# Altium PCB Quark - 副本.PcbDoc
Units mil, origin at the board's own origin, x right, y up, seen from the top; angles counter-clockwise.
Board outline 877.01 x 1246.5 mil, 6 copper layers (Top1, Signal2, Gnd3, Power4, Signal5, Bottom6), stack 32.534 mil thick; 123 components, 200 nets, 919 pads, 193 vias.
Unrouted connection lines stored in the file: 541.
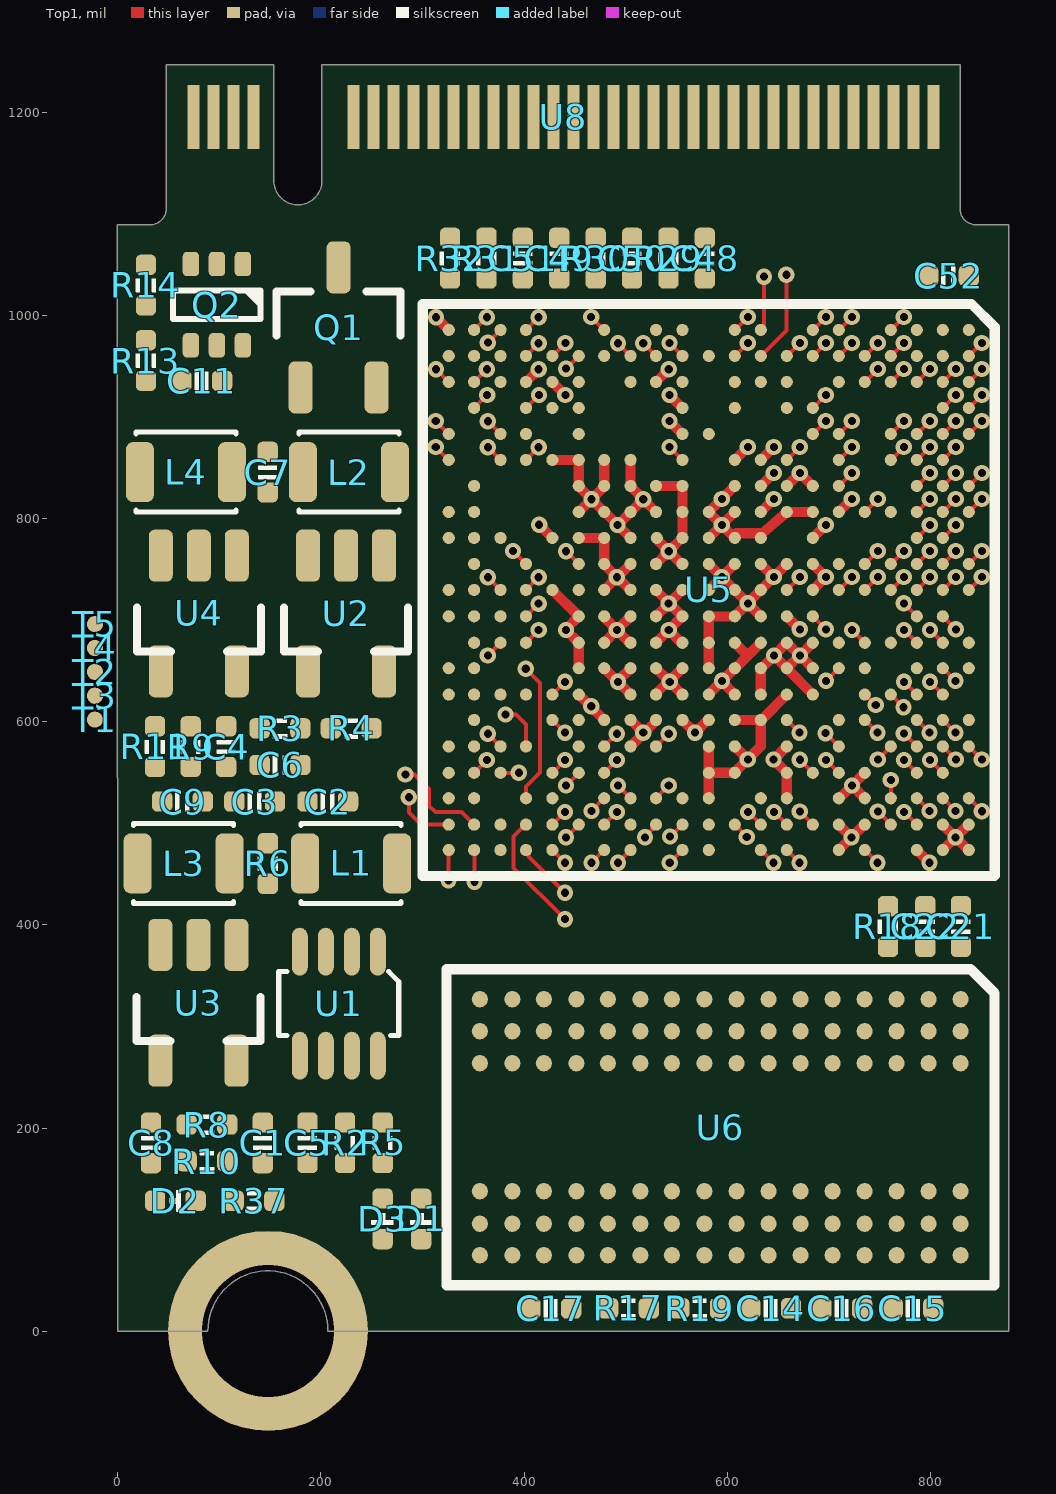
[diagram p0: Top1 view]
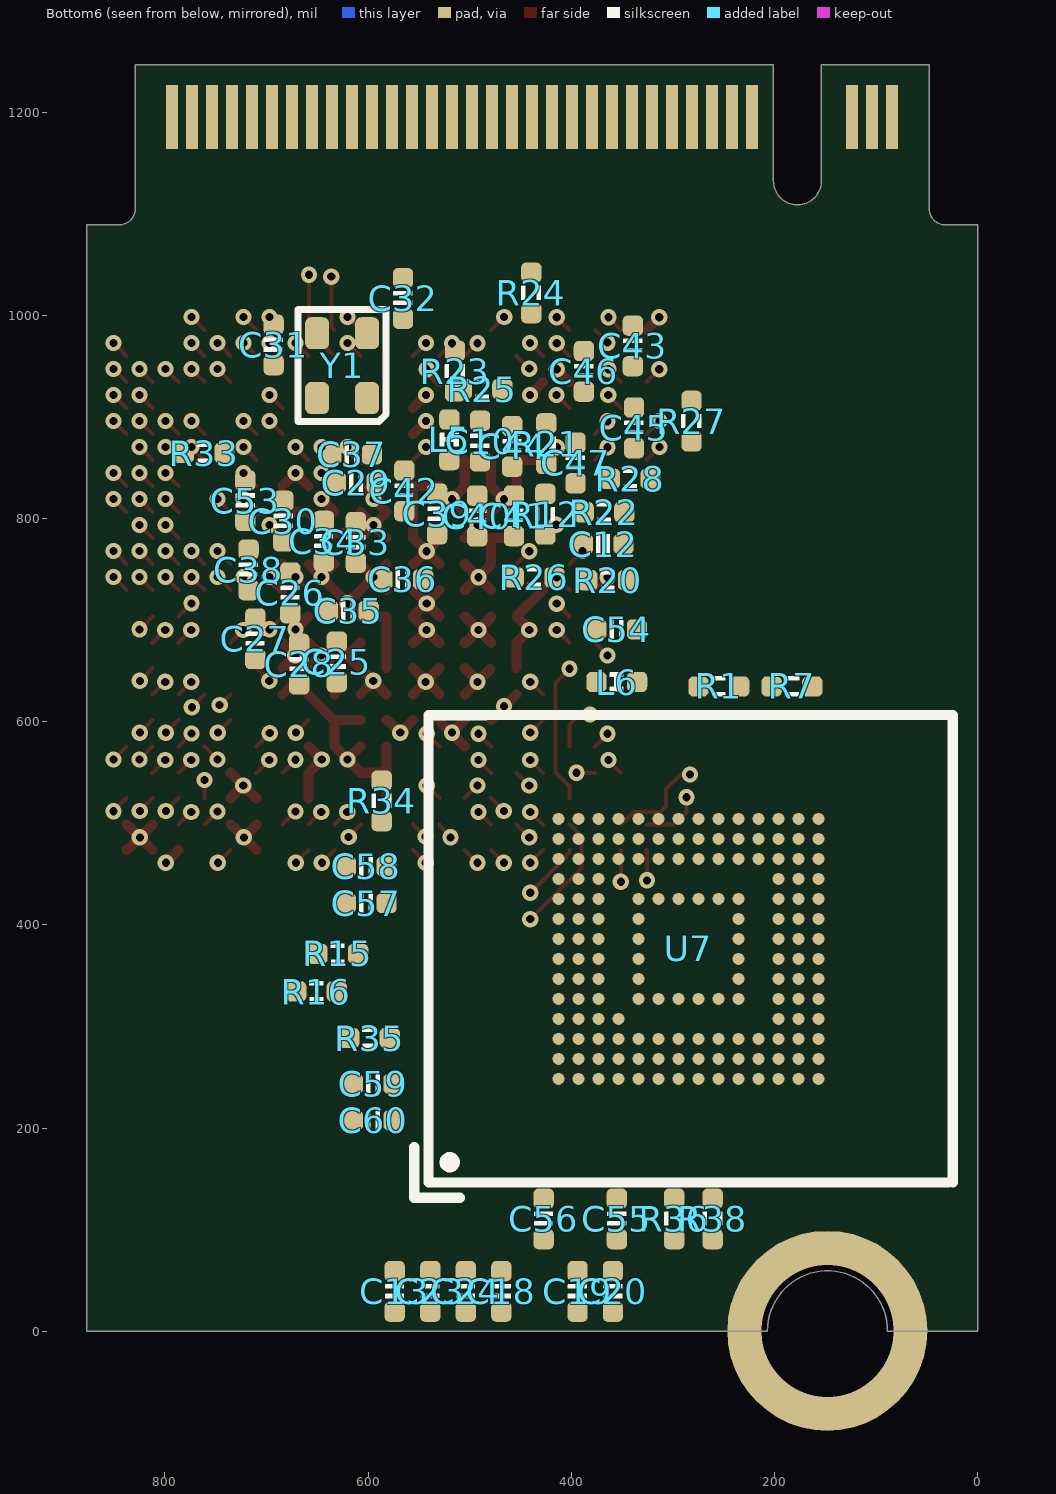
[diagram p1: Bottom6 view, seen from below]

## Layer stack, top to bottom
Top Solder: solder mask 0.8, Solder Resist, Dk 3.5
Top1: signal copper 1.378
Dielectric1: prepreg 4.2, PP-014, Dk 4.2
Signal2: signal copper 0.689
Dielectric3: core 5, Core-015, Dk 4.4
Gnd3: signal copper 0.689
Dielectric2: prepreg 8.6, PP-023, Dk 4.5
Power4: signal copper 0.689
Dielectric4: core 5, Core-015, Dk 4.4
Signal5: signal copper 0.689
Dielectric5: prepreg 4.2, PP-014, Dk 4.2
Bottom6: signal copper 1.4
Bottom Solder: solder mask 0.8, Solder Resist, Dk 3.5

## Board outline
0,0 -0.16,1089.02 31.93,1089.02 ccw(c31.88,1104.81) 47.68,1104.76 47.87,1246.5 153.78,1246.38 153.78,1132.32 ccw(c177.4,1132.32) 201.02,1132.32 201.02,1246.5 829.17,1246.5 829.17,1104.76 ccw(c844.9,1104.74) 844.92,1089.02 876.85,1089.02 876.85,0 206.89,0 ccw(c147.83,0.43) 88.78,0

## Design rules (kind name [scope] priority, off if disabled: settings)
Clearance [All] p1: gap=4 ignorepadtopadclearanceinfootprint=FALSE except(0: Arc-Hole Track-Hole SMDPad-Hole THPad-Hole Via-Hole Fill-Hole Poly-Hole Region-Hole Text-Hole)
ComponentClearance [All] p1: gap=0 collisioncheckmode=3 verticalgap=0 showdistances=FALSE
DiffPairsRouting [All] p1: maxlimit=4 minlimit=4 mostfreqgap=4 toplayer_minwidth=4 toplayer_maxwidth=4 toplayer_prefwidth=4 midlayer1_minwidth=4 midlayer1_maxwidth=4 midlayer1_prefwidth=4 midlayer2_minwidth=4 midlayer2_maxwidth=4 midlayer2_prefwidth=4 midlayer3_minwidth=4 midlayer3_maxwidth=4 midlayer3_prefwidth=4 midlayer4_minwidth=4 midlayer4_maxwidth=4 midlayer4_prefwidth=4 bottomlayer_minwidth=4 bottomlayer_maxwidth=4 bottomlayer_prefwidth=4 maxuncoupledlength=500
FanoutControl Fanout_BGA [All] p1: bgadir=Out bgaviamode=Centered fanoutstyle=Auto fanoutdirection=Alternating viagrid=1 // Fanout_BGA (Default Rule)
HoleSize [All] p1: absolutevalues=TRUE maxlimit=10000 minlimit=8 maxpercent=80.000 minpercent=20.000
MinimumSolderMaskSliver [All] p1 off: minsoldermaskwidth=2
PlaneClearance [All] p1: clearance=8
PlaneConnect [All] p1: planeconnectstyle=Direct reliefexpansion=20 reliefentries=4 reliefconductorwidth=10 reliefairgap=10
PolygonConnect [All] p1: connectstyle=Direct reliefconductorwidth=10 reliefentries=4 polygonreliefangle="90 Angle" airgapwidth=10
RoutingVias [All] p1: holewidth=8 width=16 viastyle="Through Hole" minholewidth=6 minwidth=12 maxholewidth=28 maxwidth=50
SilkToSilkClearance [All] p1: silktosilkclearance=0
SilkToSolderMaskClearance [IsPad] p1: minsilkscreentomaskgap=0 clearancetoexposedcopper=TRUE
SolderMaskExpansion [All] p1: expansion=3
Width GND [(InNet('AGND') OR InNet('GND'))] p1: maxlimit=50 minlimit=4 preferedwidth=10
Width VCC [(InNet('VDD_SYS_3.3V') OR InNet('VDD_AV_3.3V') OR InNet('VDD_5V') OR InNet('VDD1V2-SYS') OR InNet('VDD1V1-EPHY') OR InNet('VDD-CPUX') OR InNet('VDD-CPUS') OR InNet('VDD-CPUFB') OR InNet('VCC-DRAM'))] p2: maxlimit=50 minlimit=4 preferedwidth=10
Width [All] p3: maxlimit=10000 minlimit=4 preferedwidth=4
21 further rules are at their usual default settings.

## Classes and differential pairs
component class Power: C1 C2 C3 C4 C5 C6 C7 C8 C9 C10 C11 C12 C54 L1 L2 L3 L4 L5 L6 Q1 Q2 R1 R2 R3 R4 R5 R6 R7 R8 R9 R10 R11 R12 R13 R14 T1 T2 T3 T4 T5 U1 U2 U3 U4
component class CPU&DRAM: C13 C14 C15 C16 C17 C18 C19 C20 C21 C22 C23 C24 C25 C26 C27 C28 C29 C30 C31 C32 C33 C34 C35 C36 C37 C38 C39 C40 C41 C42 C43 C44 C45 C46 C47 C48 C49 C50 C51 C52 C53 D1 D2 D3 R15 R16 R17 R18 R19 R20 R21 R22 R23 R24 R25 R26 R27 R28 R29 R30 R31 R32 R33 R36 R37 R38 R43 U5 U6 Y1
component class Connect: C55 C56 C57 C58 C59 C60 R34 R35 U7 U8
differential pair SDQS0: +SDQS0_P -SDQS0_N
differential pair SDQS1: +SDQS1_P -SDQS1_N
differential pair SCK: +SCK_P -SCK_N
differential pair HTX0: +HTX0_P -HTX0_N
differential pair HTX1: +HTX1_P -HTX1_N
differential pair HTX2: +HTX2_P -HTX2_N
differential pair HTXC: +HTXC_P -HTXC_N

## Components (designator, comment, footprint, x,y, rotation, side; value= is the part's Value field where it differs from the comment)
C1 "10uF" CAP_0402 142.85,185.4 r90 top value=0.1u
C2 "10uF" CAP_0402 206.85,521.4 r180 top value=0.1u
C3 "0.1uF" CAP_0402 134.85,521.4 r0 top value=0.1u
C4 "10uF" CAP_0402 106.85,575.4 r90 top value=0.1u
C5 "10uF" CAP_0402 186.85,185.51 r270 top value=0.1u
C6 "10uF" CAP_0402 159.85,557.4 r0 top value=0.1u
C7 "10uF" CAP_0402 147.65,845.6 r270 top value=0.1u
C8 "10uF" CAP_0402 32.85,185.4 r90 top value=0.1u
C9 "10uF" CAP_0402 63.85,521.4 r0 top value=0.1u
C10 "10uF" CAP_0402 489.8,876.2 r90 bottom value=0.1u
C11 "10uF" CAP_0402 82.85,935.4 r0 top value=0.1u
C12 "10uF" CAP_0402 368.6,774.8 r180 bottom value=0.1u
C13 "10uF" CAP_0402 573.8,39.2 r90 bottom value=0.1u
C14 "1uF" CAP_0402 642.8,22.6 r0 top value=0.1u
C15 "0.1uF" CAP_0402 782.8,22.6 r0 top value=0.1u
C16 "0.1uF" CAP_0402 712.8,22.6 r0 top value=0.1u
C17 "0.1uF" CAP_0402 426.4,22.4 r0 top value=0.1u
C18 "0.1uF" CAP_0402 468.8,39.2 r90 bottom value=0.1u
C19 "0.1uF" CAP_0402 393.8,39.2 r90 bottom value=0.1u
C20 "0.1uF" CAP_0402 358.99,39.2 r90 bottom value=0.1u
C21 "0.1uF" CAP_0402 830,398.4 r90 top value=0.1u
C22 "0.1uF" CAP_0402 795,398.4 r90 top value=0.1u
C23 "0.1uF" CAP_0402 538.8,39.2 r90 bottom value=0.1u
C24 "0.1uF" CAP_0402 503.8,39.2 r90 bottom value=0.1u
C25 "0.1uF" CAP_0402 630.8,658.8 r90 bottom value=0.1u
C26 "0.1uF" CAP_0402 676.6,726.8 r90 bottom value=0.1u
C27 "0.1uF" CAP_0402 711,681.6 r90 bottom value=0.1u
C28 "0.1uF" CAP_0402 667.8,656.6 r90 bottom value=0.1u
C29 "1uF" CAP_0402 611.52,835.3 r0 bottom value=0.1u
C30 "0.1uF" CAP_0402 683.4,797.4 r90 bottom value=0.1u
C31 "18pF" CAP_0402 693,970.8 r270 bottom value=0.1u
C32 "18pF" CAP_0402 565.6,1016.6 r270 bottom value=0.1u
C33 "10uF" CAP_0402 612,776.4 r90 bottom value=0.1u
C34 "0.1uF" CAP_0402 643.6,777.6 r270 bottom value=0.1u
C35 "0.1uF" CAP_0402 619.4,709 r0 bottom value=0.1u
C36 "0.1uF" CAP_0402 565.8,740 r0 bottom value=0.1u
C37 "0.1uF" CAP_0402 616.2,863 r0 bottom value=0.1u
C38 "0.1uF" CAP_0402 717.6,749.4 r90 bottom value=0.1u
C39 "10uF" CAP_0402 532,804.4 r90 bottom value=0.1u
C40 "0.1uF" CAP_0402 492.6,802.4 r90 bottom value=0.1u
C41 "0.1uF" CAP_0402 456.4,802.6 r90 bottom value=0.1u
C42 "0.1uF" CAP_0402 564.4,827.2 r90 bottom value=0.1u
C43 "1uF" CAP_0402 339.4,969.8 r90 bottom value=0.1u
C44 "10uF" CAP_0402 458.2,871 r90 bottom value=0.1u
C45 "10uF" CAP_0402 338.2,889.2 r90 bottom value=0.1u
C46 "0.1uF" CAP_0402 387.6,944.8 r270 bottom value=0.1u
C47 "0.1uF" CAP_0402 395.8,854.6 r90 bottom value=0.1u
C48 "1uF" CAP_0402 578,1056.2 r270 top value=0.1u
C49 "0.1uF" CAP_0402 434.69,1056.2 r90 top value=0.1u
C50 "10uF" CAP_0402 506.34,1056.2 r270 top value=0.1u
C51 "0.1uF" CAP_0402 398.86,1056.2 r90 top value=0.1u
C52 "0.1uF" CAP_0402 817.8,1039 r0 top value=0.1u
C53 "0.1uF" CAP_0402 720.8,817.6 r90 bottom value=0.1u
C54 "10uF" CAP_0402 355.4,690.75 r180 bottom value=0.1u
C55 "2.2uF" CAP_0402 355.15,110.6 r90 bottom value=0.1u
C56 "0.1uF" CAP_0402 427.15,110.6 r90 bottom value=0.1u
C57 "2.2uF" CAP_0402 601.8,421.45 r0 bottom value=0.1u
C58 "0.1uF" CAP_0402 601.8,457.45 r0 bottom value=0.1u
C59 "0.1uF" CAP_0402 595,243.55 r180 bottom value=0.1u
C60 "1uF" CAP_0402 595,207.55 r180 bottom value=0.1u
D1 "color?" LED_0402_BLUE 298.75,110.6 r90 top
D2 "color?" LED_0402_RED 56.8,128.4 r180 top
D3 "color?" LED_0402_G 260.8,110.6 r90 top
L1 "2.2uH" 2520-L 229.85,460.4 r0 top
L2 "2.2uH" 2520-L 227.65,845.6 r0 top
L3 "2.2uH" 2520-L 64.85,460.4 r0 top
L4 "2.2uH" 2520-L 67.25,845.6 r0 top
L5 "H0402" IND_0402 520,877.4 r90 bottom value=1500R
L6 "H0402" IND_0402 355.2,639 r180 bottom value=1500R
Q1 "AO3415A" SOT23-3 217.45,988 r90 top
Q2 "BCM856BS" SOT363-6 97.65,1010.4 r270 top
R1 "10K" RES_0402 254.8,634.6 r180 bottom value=22R
R2 "10K/1%" RES_0402 223.85,185.51 r270 top value=22R
R3 "15K/1%" RES_0402 159.85,593.4 r0 top value=22R
R4 "10K/1%" RES_0402 229.85,593.4 r180 top value=22R
R5 "12K/1%" RES_0402 260.85,185.51 r90 top value=22R
R6 "10K" RES_0402 147.85,460.4 r90 top value=22R
R7 "2R/1%" RES_0402 182.8,634.6 r0 bottom value=22R
R8 "30K/1%" RES_0402 87.88,203.48 r0 top value=22R
R9 "10K/1%" RES_0402 71.85,575.4 r270 top value=22R
R10 "6.8K/1%" RES_0402 87.88,167.48 r0 top value=22R
R11 "10K/1%" RES_0402 36.85,575.4 r90 top value=22R
R12 "0R" RES_0402 425.6,804.2 r270 bottom value=22R
R13 "10K/1%" RES_0402 27.85,955.4 r270 top value=22R
R14 "10K/1%" RES_0402 27.85,1029.6 r270 top value=22R
R15 "240R/1%" RES_0402 629.8,371.4 r180 bottom value=22R
R16 "240R/1%" RES_0402 650.8,334.4 r180 bottom value=22R
R17 "2K/1%" RES_0402 502.8,22.6 r180 top value=22R
R18 "100R" RES_0402 758.2,398.4 r90 top value=22R
R19 "2K/1%" RES_0402 572.8,22.6 r0 top value=22R
R20 "240R/1%" RES_0402 364.2,739.2 r180 bottom value=22R
R21 "1M" RES_0402 424.6,873.6 r90 bottom value=22R
R22 "10K" RES_0402 367.8,806.2 r180 bottom value=22R
R23 "47K" RES_0402 514.4,945 r270 bottom value=22R
R24 "10K" RES_0402 439.4,1022 r90 bottom value=22R
R25 "220K/1%" RES_0402 487.8,927.2 r180 bottom value=22R
R26 "0R" RES_0402 436.6,742 r180 bottom value=22R
R27 "100K" RES_0402 281.6,895.8 r270 bottom value=22R
R28 "47K" RES_0402 342,839 r180 bottom value=22R
R29 "1K" RES_0402 542.17,1056.2 r90 top value=22R
R30 "2K" RES_0402 470.51,1056.2 r270 top value=22R
R31 "2K" RES_0402 363.03,1056.2 r90 top value=22R
R32 "1K" RES_0402 327.2,1056.2 r270 top value=22R
R33 "6K/1%" RES_0402 761.4,864.4 r180 bottom value=22R
R34 "0R" RES_0402 586.6,522 r90 bottom value=22R
R35 "10K" RES_0402 598.6,288.6 r180 bottom value=22R
R36 "4.7K" RES_0402 298.75,110.6 r270 bottom value=22R
R37 "4.7K" RES_0402 134.2,128.4 r180 top value=22R
R38 "10K" RES_0402 260.8,110.6 r270 bottom value=22R
T1 "测试点" TEST_PT -22.35,601.99 r0 top
T2 "测试点" TEST_PT -22.34,649 r90 top
T3 "测试点" TEST_PT -22.34,625.5 r90 top
T4 "测试点" TEST_PT -22.34,672.5 r90 top
T5 "测试点" TEST_PT -22.34,696 r90 top
U1 "MP2143DJ" SOT23-8 217.65,322.4 r180 top
U2 "RT8059" SOT23-5 224.85,704.4 r270 top
U3 "RT8059" SOT23-5 79.45,321.2 r270 top
U4 "SY8089A" SOT23-5 79.85,704.4 r270 top
U5 "ALLWINNER-H3(FBGA-347)" "FBGA-347 - duplicate" 581.87,729.65 r270 top locked
U6 "K4B4G1646D-BCK0(FBGA-96_256Mx16_DDR3-1600_11-11-11)" FBGA96(HYNIX_SAMSUNG_512MX16_DDR3) 593.48,200.81 r180 top
U7 "KLM8G1GETF-B041" FBGA153 284.65,376.35 r90 bottom locked
U8 "Quantum-Quark-N" M.2 222.19,1195.14 r0 top locked
Y1 "24MHz" 晶振2520 625.6,950.4 r90 bottom

## Footprints (in the part's own frame and the unit in brackets; to place one, negate y for a bottom-side part, rotate by r counter-clockwise, add the part's x,y. Pads: shape width x height; smd on the part's side, far side on the other; paste and mask are expansions set on the pad)
2520-L [mm]
  rrect50% 0.7x1.5 smd: 1(-1.15,0) 2(1.15,0)
  silkscreen extent -1.25,-1 1.25,1, body extent -1,-0.6 1,0.6, height 0.92
CAP_0402 [mil]
  rrect50% 20x20 smd: 1(-20,0) 2(20,0)
  silkscreen extent -7,-9 7,9, body extent -20,-10 20,10, height 20
FBGA96(HYNIX_SAMSUNG_512MX16_DDR3) [mil] "FBGA96(HYNIX_SAMSUNG_512MX16_DDR3)"
  rrect100% 16x16 smd: A1(-236.22,-125.98) A2(-236.22,-94.49) A3(-236.22,-62.99) A7(-236.22,63) A8(-236.22,95) A9(-236.22,126) B1(-204.72,-125.98) B2(-204.72,-94.49) B3(-204.72,-62.99) B7(-204.72,63) B8(-204.72,95) B9(-204.72,126) C1(-173.23,-125.98) C2(-173.23,-94.49) C3(-173.23,-62.99) C7(-173.23,63) C8(-173.23,95) C9(-173.23,126) D1(-141.73,-125.98) D2(-141.73,-94.49) D3(-141.73,-62.99) D7(-141.73,63) D8(-141.73,95) D9(-141.73,126) E1(-110.24,-125.98) E2(-110.24,-94.49) E3(-110.24,-62.99) E7(-110.24,63) E8(-110.24,95) E9(-110.24,126) F1(-78.74,-125.98) F2(-78.74,-94.49) F3(-78.74,-62.99) F7(-78.74,63) F8(-78.74,95) F9(-78.74,126) G1(-47.24,-125.98) G2(-47.24,-94.49) G3(-47.24,-62.99) G7(-47.24,63) G8(-47.24,95) G9(-47.24,126) H1(-15.75,-125.98) H2(-15.75,-94.49) H3(-15.75,-62.99) H7(-15.75,63) H8(-15.75,95) H9(-15.75,126) J1(16,-125.98) J2(16,-94.49) J3(16,-62.99) J7(16,63) J8(16,95) J9(16,126) K1(48,-125.98) K2(48,-94.49) K3(48,-62.99) K7(48,63) K8(48,95) K9(48,126) L1(79,-125.98) L2(79,-94.49) L3(79,-62.99) L7(79,63) L8(79,95) L9(79,126) M1(111,-125.98) M2(111,-94.49) M3(111,-62.99) M7(111,63) M8(111,95) M9(111,126) N1(142,-125.98) N2(142,-94.49) N3(142,-62.99) N7(142,63) N8(142,95) N9(142,126) P1(174,-125.98) P2(174,-94.49) P3(174,-62.99) P7(174,63) P8(174,95) P9(174,126) R1(205,-125.98) R2(205,-94.49) R3(205,-62.99) R7(205,63) R8(205,95) R9(205,126) T1(237,-125.98) T2(237,-94.49) T3(237,-62.99) T7(237,63) T8(237,95) T9(237,126)
  silkscreen extent -270,-156 270,156, body extent -276,-157 276,157, height 45
FBGA153 [mm]
  round 0.3 smd: A1(-3.25,3.25) A2(-2.75,3.25) A3(-2.25,3.25) A4(-1.75,3.25) A5(-1.25,3.25) A6(-0.75,3.25) A7(-0.25,3.25) A8(0.25,3.25) A9(0.75,3.25) A10(1.25,3.25) A11(1.75,3.25) A12(2.25,3.25) A13(2.75,3.25) A14(3.25,3.25) B1(-3.25,2.75) B2(-2.75,2.75) B3(-2.25,2.75) B4(-1.75,2.75) B5(-1.25,2.75) B6(-0.75,2.75) B7(-0.25,2.75) B8(0.25,2.75) B9(0.75,2.75) B10(1.25,2.75) B11(1.75,2.75) B12(2.25,2.75) B13(2.75,2.75) B14(3.25,2.75) C1(-3.25,2.25) C2(-2.75,2.25) C3(-2.25,2.25) C4(-1.75,2.25) C5(-1.25,2.25) C6(-0.75,2.25) C7(-0.25,2.25) C8(0.25,2.25) C9(0.75,2.25) C10(1.25,2.25) C11(1.75,2.25) C12(2.25,2.25) C13(2.75,2.25) C14(3.25,2.25) D1(-3.25,1.75) D2(-2.75,1.75) D3(-2.25,1.75) D4(-1.75,1.75) D12(2.25,1.75) D13(2.75,1.75) D14(3.25,1.75) E1(-3.25,1.25) E2(-2.75,1.25) E3(-2.25,1.25) E5(-1.25,1.25) E6(-0.75,1.25) E7(-0.25,1.25) E8(0.25,1.25) E9(0.75,1.25) E10(1.25,1.25) E12(2.25,1.25) E13(2.75,1.25) E14(3.25,1.25) F1(-3.25,0.75) F2(-2.75,0.75) F3(-2.25,0.75) F5(-1.25,0.75) F10(1.25,0.75) F12(2.25,0.75) F13(2.75,0.75) F14(3.25,0.75) G1(-3.25,0.25) G2(-2.75,0.25) G3(-2.25,0.25) G5(-1.25,0.25) G10(1.25,0.25) G12(2.25,0.25) G13(2.75,0.25) G14(3.25,0.25) H1(-3.25,-0.25) H2(-2.75,-0.25) H3(-2.25,-0.25) H5(-1.25,-0.25) H10(1.25,-0.25) H12(2.25,-0.25) H13(2.75,-0.25) H14(3.25,-0.25) J1(-3.25,-0.75) J2(-2.75,-0.75) J3(-2.25,-0.75) J5(-1.25,-0.75) J10(1.25,-0.75) J12(2.25,-0.75) J13(2.75,-0.75) J14(3.25,-0.75) K1(-3.25,-1.25) K2(-2.75,-1.25) K3(-2.25,-1.25) K5(-1.25,-1.25) K6(-0.75,-1.25) K7(-0.25,-1.25) K8(0.25,-1.25) K9(0.75,-1.25) K10(1.25,-1.25) K12(2.25,-1.25) K13(2.75,-1.25) K14(3.25,-1.25) L1(-3.25,-1.75) L2(-2.75,-1.75) L3(-2.25,-1.75) L12(2.25,-1.75) L13(2.75,-1.75) L14(3.25,-1.75) M1(-3.25,-2.25) M2(-2.75,-2.25) M3(-2.25,-2.25) M4(-1.75,-2.25) M5(-1.25,-2.25) M6(-0.75,-2.25) M7(-0.25,-2.25) M8(0.25,-2.25) M9(0.75,-2.25) M10(1.25,-2.25) M11(1.75,-2.25) M12(2.25,-2.25) M13(2.75,-2.25) M14(3.25,-2.25) N1(-3.25,-2.75) N2(-2.75,-2.75) N3(-2.25,-2.75) N4(-1.75,-2.75) N5(-1.25,-2.75) N6(-0.75,-2.75) N7(-0.25,-2.75) N8(0.25,-2.75) N9(0.75,-2.75) N10(1.25,-2.75) N11(1.75,-2.75) N12(2.25,-2.75) N13(2.75,-2.75) N14(3.25,-2.75) P1(-3.25,-3.25) P2(-2.75,-3.25) P3(-2.25,-3.25) P4(-1.75,-3.25) P5(-1.25,-3.25) P6(-0.75,-3.25) P7(-0.25,-3.25) P8(0.25,-3.25) P9(0.75,-3.25) P10(1.25,-3.25) P11(1.75,-3.25) P12(2.25,-3.25) P13(2.75,-3.25) P14(3.25,-3.25)
  silkscreen extent -6.22,-6.61 5.84,6.86, body extent -5.78,-6.54 5.72,6.46, height 0.63
"FBGA-347 - duplicate" [mil] "FBGA-347"
  rrect100% 12x12 smd: A1(-255.91,255.91) A2(-230.31,255.91) A3(-204.72,255.91) A4(-179.13,255.91) A5(-153.54,255.91) A7(-102.36,255.91) A8(-76.77,255.91) A10(-25.59,255.91) A11(0,255.91) A13(52,255.91) A14(77,255.91) A16(128,255.91) A17(154,255.91) A19(205,255.91) A20(231,255.91) A21(256,255.91) AA1(-255.91,-256) AA2(-230.31,-256) AA3(-204.72,-256) AA5(-153.54,-256) AA6(-127.95,-256) AA8(-76.77,-256) AA9(-51.18,-256) AA11(0,-256) AA12(26,-256) AA14(77,-256) AA15(103,-256) AA17(154,-256) AA18(180,-256) AA19(205,-256) AA20(231,-256) AA21(256,-256) B1(-255.91,230.31) B2(-230.31,230.31) B3(-204.72,230.31) B4(-179.13,230.31) B5(-153.54,230.31) B6(-127.95,230.31) B7(-102.36,230.31) B8(-76.77,230.31) B9(-51.18,230.31) B10(-25.59,230.31) B11(0,230.31) B12(26,230.31) B13(52,230.31) B14(77,230.31) B15(103,230.31) B16(128,230.31) B17(154,230.31) B18(180,230.31) B19(205,230.31) B20(231,230.31) B21(256,230.31) C1(-255.91,204.72) C2(-230.31,204.72) C3(-204.72,204.72) C5(-153.54,204.72) C6(-127.95,204.72) C7(-102.36,204.72) C8(-76.77,204.72) C9(-51.18,204.72) C10(-25.59,204.72) C11(0,204.72) C12(26,204.72) C13(52,204.72) C14(77,204.72) C15(103,204.72) C16(128,204.72) C17(154,204.72) C18(180,204.72) C19(205,204.72) C20(231,204.72) C21(256,204.72) D1(-255.91,179.13) D2(-230.31,179.13) D3(-204.72,179.13) D5(-153.54,179.13) D6(-127.95,179.13) D8(-76.77,179.13) D10(-25.59,179.13) D11(0,179.13) D13(52,179.13) D15(103,179.13) D17(154,179.13) D19(205,179.13) D20(231,179.13) E2(-230.31,153.54) E3(-204.72,153.54) E8(-76.77,153.54) E10(-25.59,153.54) E11(0,153.54) E13(52,153.54) E14(77,153.54) E15(103,153.54) E16(128,153.54) E18(180,153.54) E19(205,153.54) E20(231,153.54) E21(256,153.54) F1(-255.91,127.95) F2(-230.31,127.95) F3(-204.72,127.95) F5(-153.54,127.95) F6(-127.95,127.95) F7(-102.36,127.95) F8(-76.77,127.95) F10(-25.59,127.95) F11(0,127.95) F13(52,127.95) F14(77,127.95) F16(128,127.95) F17(154,127.95) F18(180,127.95) F19(205,127.95) F20(231,127.95) F21(256,127.95) G1(-255.91,102.36) G2(-230.31,102.36) G4(-179.13,102.36) G5(-153.54,102.36) G7(-102.36,102.36) G8(-76.77,102.36) G9(-51.18,102.36) G10(-25.59,102.36) G11(0,102.36) G12(26,102.36) G13(52,102.36) G14(77,102.36) G15(103,102.36) G18(180,102.36) G20(231,102.36) H2(-230.31,76.77) H3(-204.72,76.77) H4(-179.13,76.77) H6(-127.95,76.77) H7(-102.36,76.77) H8(-76.77,76.77) H10(-25.59,76.77) H11(0,76.77) H12(26,76.77) H13(52,76.77) H14(77,76.77) H15(103,76.77) H16(128,76.77) H17(154,76.77) H18(180,76.77) H19(205,76.77) H20(231,76.77) H21(256,76.77) J1(-255.91,51.18) J2(-230.31,51.18) J3(-204.72,51.18) J6(-127.95,51.18) J7(-102.36,51.18) J8(-76.77,51.18) J9(-51.18,51.18) J10(-25.59,51.18) J11(0,51.18) J12(26,51.18) J13(52,51.18) J14(77,51.18) J15(103,51.18) J16(128,51.18) J19(205,51.18) J20(231,51.18) J21(256,51.18) K1(-255.91,25.59) K2(-230.31,25.59) K3(-204.72,25.59) K4(-179.13,25.59) K6(-127.95,25.59) K7(-102.36,25.59) K8(-76.77,25.59) K9(-51.18,25.59) K10(-25.59,25.59) K11(0,25.59) K12(26,25.59) K13(52,25.59) K14(77,25.59) K15(103,25.59) K16(128,25.59) K17(154,25.59) K18(180,25.59) K20(231,25.59) L2(-230.31,0) L5(-153.54,0) L8(-76.77,0) L9(-51.18,0) L10(-25.59,0) L11(0,0) L12(26,0) L13(52,0) L14(77,0) L15(103,0) L16(128,0) L17(154,0) L18(180,0) L19(205,0) L20(231,0) L21(256,0) M1(-255.91,-26) M2(-230.31,-26) M3(-204.72,-26) M4(-179.13,-26) M5(-153.54,-26) M6(-127.95,-26) M7(-102.36,-26) M8(-76.77,-26) M9(-51.18,-26) M10(-25.59,-26) M11(0,-26) M12(26,-26) M13(52,-26) M14(77,-26) M15(103,-26) M16(128,-26) M19(205,-26) M20(231,-26) M21(256,-26) N1(-255.91,-52) N2(-230.31,-52) N3(-204.72,-52) N7(-102.36,-52) N8(-76.77,-52) N9(-51.18,-51.18) N10(-25.59,-52) N11(0,-52) N12(26,-52) N13(52,-52) N14(77,-52) N15(103,-52) N16(128,-52) N17(154,-52) N19(205,-52) N20(231,-52) P2(-230.31,-77) P3(-204.72,-77) P6(-127.95,-77) P7(-102.36,-77) P8(-76.77,-77) P9(-51.18,-77) P10(-25.59,-77) P11(0,-77) P12(26,-77) P13(52,-77) P14(77,-77) P15(103,-77) P16(128,-77) P17(154,-77) P19(205,-77) P20(231,-77) P21(256,-77) R1(-255.91,-103) R2(-230.31,-103) R6(-127.95,-103) R7(-102.36,-103) R8(-76.77,-103) R9(-51.18,-103) R10(-25.59,-103) R11(0,-103) R12(26,-103) R13(52,-103) R14(77,-103) R16(128,-103) R17(154,-103) R18(180,-103) R19(205,-103) R20(231,-103) R21(256,-103) T2(-230.31,-128) T3(-204.72,-128) T4(-179.13,-128) T5(-153.54,-128) T6(-127.95,-128) T7(-102.36,-128) T8(-76.77,-128) T9(-51.18,-128) T10(-25.59,-128) T11(0,-128) T12(26,-128) T13(52,-128) T14(77,-128) T15(103,-128) T16(128,-128) T17(154,-128) T18(180,-128) T20(231,-128) U2(-230.31,-154) U3(-204.72,-154) U4(-179.13,-154) U6(-127.95,-154) U9(-51.18,-154) U11(0,-154) U15(103,-154) U16(128,-154) U18(180,-154) U19(205,-154) U20(231,-154) U21(256,-154) V1(-255.91,-180) V2(-230.31,-180) V3(-204.72,-180) V4(-179.13,-180) V5(-153.54,-180) V6(-127.95,-180) V10(-25.59,-180) V11(0,-180) V12(26,-180) V13(52,-180) V15(103,-180) V17(154,-180) V19(205,-180) V20(231,-180) V21(256,-180) W1(-255.91,-205) W2(-230.31,-205) W3(-204.72,-205) W5(-153.54,-205) W6(-127.95,-205) W9(-51.18,-205) W11(0,-205) W12(26,-205) W13(52,-205) W15(103,-205) W17(154,-205) W18(180,-205) W20(231,-205) W21(256,-205) Y1(-255.91,-231) Y2(-230.31,-231) Y3(-204.72,-231) Y4(-179.13,-231) Y7(-102.36,-231) Y8(-76.77,-231) Y9(-51.18,-231) Y10(-25.59,-231) Y11(0,-231) Y12(26,-231) Y13(52,-231) Y14(77,-231) Y15(103,-231) Y16(128,-231) Y17(154,-231) Y18(180,-231) Y19(205,-231) Y20(231,-231) Y21(256,-231)